# KiCad board CamTracker.kicad_pcb (continued)
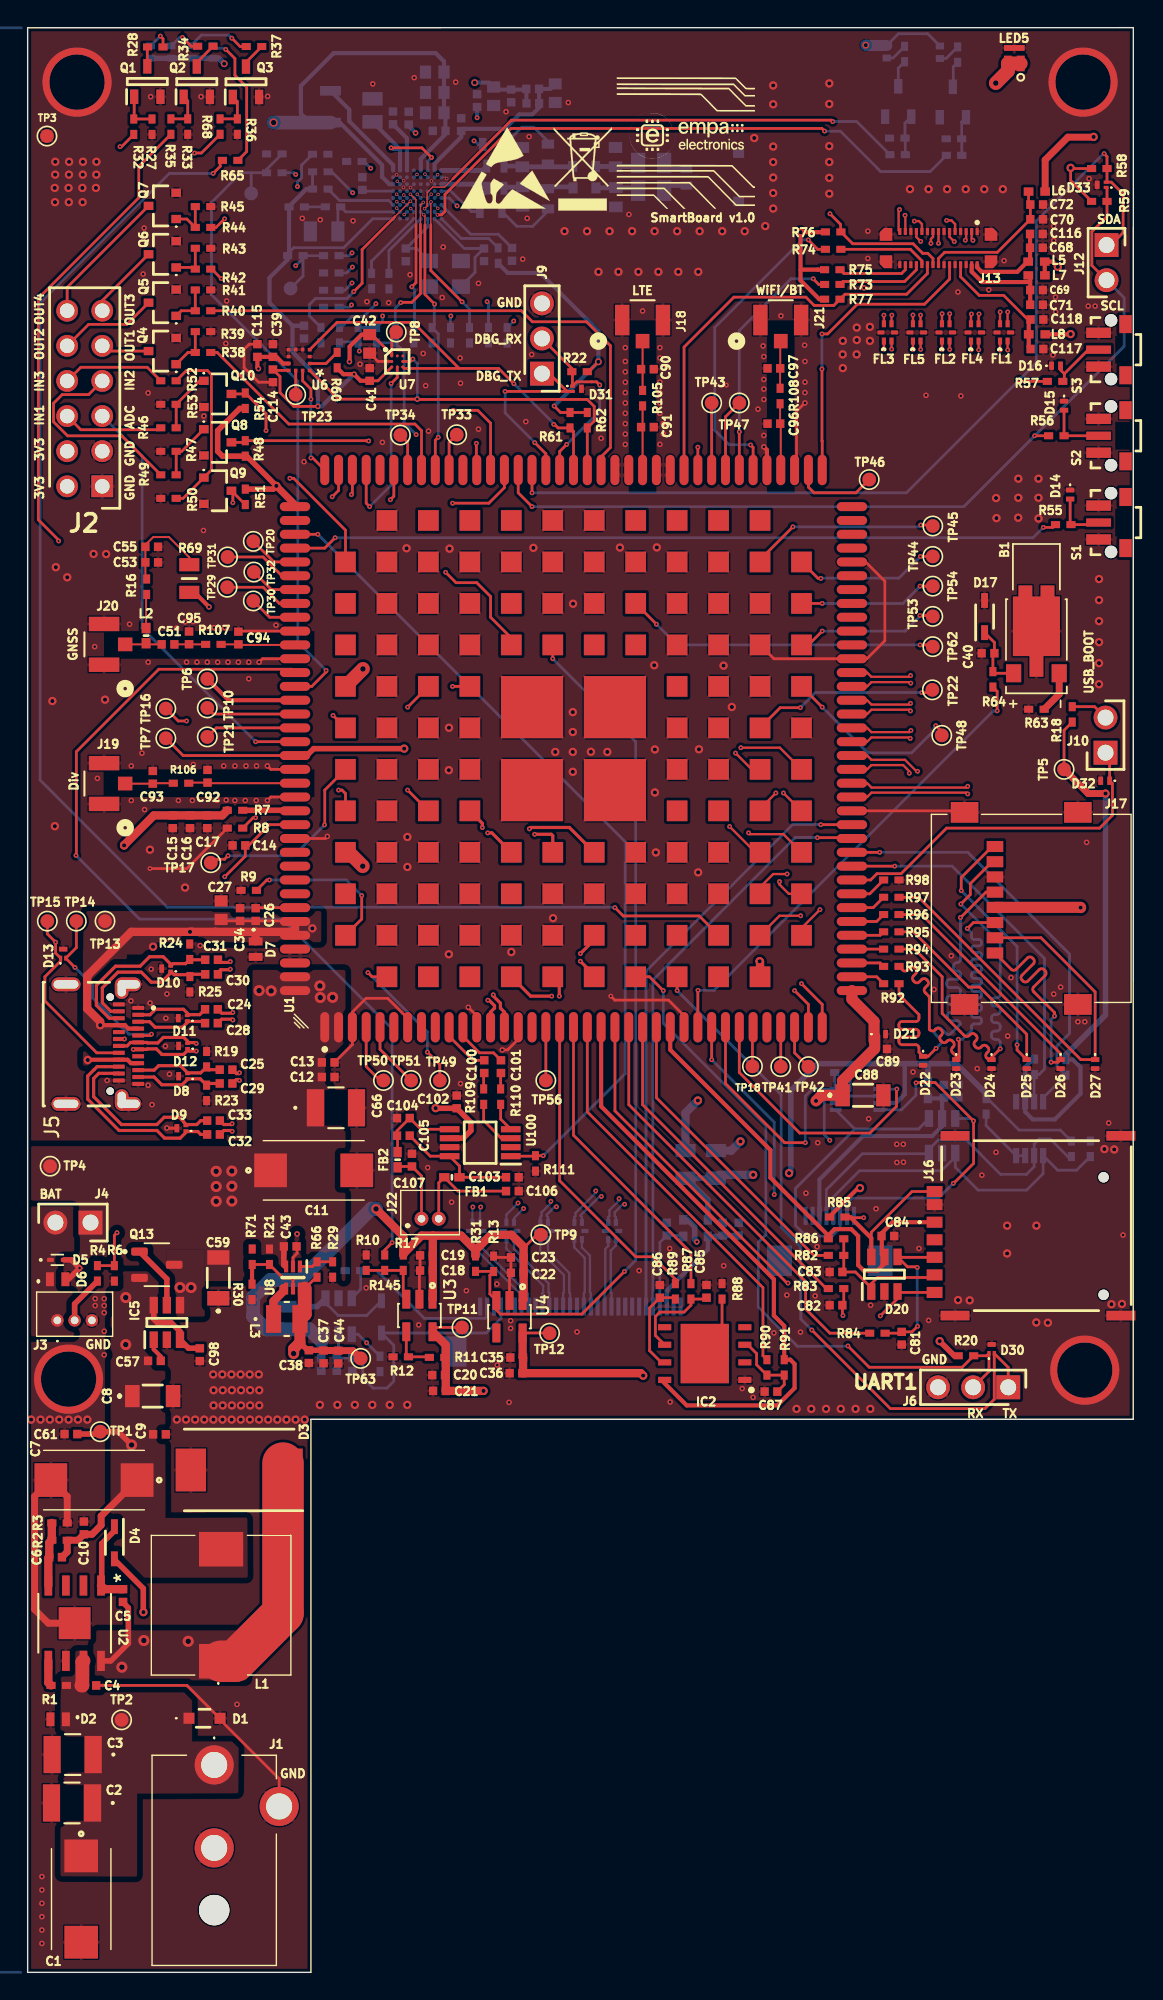
[diagram p0: board, top side]
## Routing (per net, layer and track width the routed paths; a pad name or vN(x,y) marks a point on that pad's centre or on a via; arc(x,y) is an arc through that point) (continued)
  Top w0.3: v1(13.12,98.75) 12.08,99.8 R69.1
  Top w0.6: U3.5 30.26,45.37 C21.1 32.13,42.05 32.14,42.04 32.15,42.05 v2(32.99,42.05)
  PWR w0.3: v1(13.12,98.75) 13.53,98.75 20.75,91.53 20.75,90.8 v2(48.5,63.05)
  PWR w0.6: v2(48.5,63.05) 49.2,62.35 49.2,59.05 47.33,57.18 47.33,47.94 41.45,42.06 33,42.06 v2(32.99,42.05)
  Bottom w0.6: R14.1 47.6,59.44 47.6,62.15 v2(48.5,63.05)
VREG_3V3_NFC: length 151.6
  Top w0.2: 20.05,49.45 20.87,50.27 R66.1
  Top w0.3: 21.39,44.99 C37.1 ; C38.1 20.26,44.99
  Top w0.4: 20.26,44.99 19.7,45.55 ; C38.1 21.39,44.99
  Top w0.5: TP63.1 23.54,44.96 C44.2 22.47,44.97 C37.1
  Top w0.8: L3.2 19.7,45.55 19.25,45.09 v8(19.25,44.75)
  Top w1: L3.2 20.05,47.6 20.05,49.45
  PWR w1: v9(17.8,133.78) 15.67,133.78 9.62,127.72 9.62,84 11.53,82.1 17.67,82.1 23.6,76.17 23.6,49.35 19.25,45 v8(19.25,44.75)
  Bottom w0.3: IC1.E1 28.45,131.15 30.23,132.94 C47.1 30.23,134.38 C52.1 C54.1 C46.1 30.13,138.19 29.53,138.8 22.15,138.8 19.78,136.43 19.78,134.43 20.42,133.78 L13.2 22.58,133.78 25.65,130.71 25.65,129.85 26.18,129.32 IC1.A3
  Bottom w1: v9(17.8,133.78) L13.2
VUSB_BUS: length 36.6
  Top w0.2: 14.36,76.04 C34.1 C26.1 19.31,76.04 U1.141 ; 4.37,66 v2(4.35,65.98)
  Top w0.3: J5.A9 7.47,65.75 7.22,66 J5.B4 4.37,66 ; J5.A4 7.29,68.25 7.04,68.5 J5.B9 v2(5.25,68.5)
  Top w0.4: U1.142 19.1,75.25
  Top w0.6: 16.5,75.25 13.57,75.25 13.57,75.25 11.91,75.25 11.91,75.25 v2(11.75,75.25) 7.5,75.25 4.31,72.06 4.31,69.69 5.25,68.75 v2(5.25,68.5) ; 16.5,75.25 19.1,75.25 ; 16.5,75.25 D7.1 ; U1.141 U1.142
  PWR w0.8: v2(4.35,65.98) 4.35,67.6 v2(5.25,68.5)
  vias: v2(9.08,74.17) v2(20.6,75.5)
Net-(B1-PadN): length 3.1
  Top w0.5: R63.1 74.65,92.44 B1.N
Net-(C1-+): length 27
  Top w0.4: D4.2 6.28,29.85 8.37,27.76 8.37,26.06 v2(8.38,26.05)
  Top w1: 3.89,20.75 3.96,20.75 3.96,22.45 U2.7 ; 12.83,15 J1.1
  PWR w0.4: v2(8.38,26.05) 8.81,25.62 15.57,25.62 16.68,24.51 16.68,18.18 J1.1
Net-(C45-Pad2): length 3.2
  Bottom w0.35: C45.2 43.93,130.6 R129.2
Net-(C48-Pad2): length 3.1
  Bottom w0.35: C48.2 43.98,129.06 R130.2
Net-(C100-Pad2): length 1.2
  Top w0.2: C100.2 33,65 R109.2
Net-(C101-Pad2): length 1.2
  Top w0.2: R110.2 34.23,65.02 C101.2
Net-(C106-Pad2): length 8
  Top w0.2: C106.2 31.15,56.5 FB1.2 29.75,57.1 J22.2
Net-(C107-Pad2): length 5.1
  Top w0.2: FB2.2 26.83,58.28 C107.2 28.5,57.59 J22.1
Net-(C131-Pad2): length 4.4
  Bottom w0.2: C131.2 35.41,126.27 36.54,126.27 37.65,127.38 R143.2
Net-(C137-Pad2): length 4.3
  Bottom w0.2: C137.2 35.77,133.44 36.63,133.44 37.65,132.42 R135.2
Net-(C138-Pad2): length 5.1
  Bottom w0.35: 39.45,130.72 39.31,130.57 35.8,130.57 35.75,130.62 L16.2
Net-(C139-Pad1): length 5.1
  Bottom w0.35: L15.2 34.55,129.1 35.8,129.1 C139.1 39.43,129.12 39.48,129.17
Net-(D3-K): length 22.4
  Top w0.4: C5.2 6.9,26.75 7.29,26.36 7.29,23.79 6.02,22.53 U2.8
  Top w3: L1.1 15,22.5 18.48,25.98 18.48,36.83
  vias: v6(6.82,22.07) v6(8.41,24) v6(11.62,23.94)
Net-(D4-K): length 6.4
  Top w0.4: U2.1 5.36,28.03 5.36,31.01 6.28,31.93 D4.1
  Top w0.6: C5.1 5.57,27.71 U2.1
Net-(D14-Pad2): length 3.9
  Top w0.2: S1.2 77.35,104.7 R55.2 75.44,104.76 D14.2
Net-(D15-Pad2): length 4.4
  Top w0.2: S2.2 R56.2 75,112.97
Net-(D16-Pad2): length 5
  Top w0.2: 76.7,117.35 S3.2 76.76,117.35 75.02,115.61 ; D16.2 74.75,115.88 75.02,115.61 ; 75.02,115.31 75.02,115.61
Net-(D17-K): length 4.7
  Top w0.2: B1.P 69.97,93.95 R64.1 69.85,95.29 C40.1 69.96,96.18 D17.1
Net-(D18-A): length 8.5
  Bottom w0.2: U9.1 21.55,48.42 22.47,47.5 24.54,47.5 D18.2
  Bottom w0.4: L9.2 20.95,48.15 U9.1
Net-(D20-I/O1): length 10.7
  Top w0.2: J16.C7 65.44,50.25 61.5,50.25 61.05,49.8 D20.1 61.05,49.5 59.9,50.65 C83.2 59.06,50.75 R82.1 R86.2
Net-(D20-I/O2): length 9.8
  Top w0.2: 65.56,49.24 J16.C3 63.02,49.17 D20.3 62.95,48.72 v3(61.7,47.47) ; v3(59,47.5) 58.96,47.54 C82.2 59.06,48.35 R83.1
  Signal w0.2: v3(59,47.5) 59.03,47.47 v3(61.7,47.47)
Net-(D20-I/O3): length 11.3
  Top w0.2: v3(64.38,50.97) 64.33,51.03 63.67,51.03 D20.4 62.98,51.71 J16.C2 65.6,51.74 ; v3(64.4,46.72) 64,46.32 C81.2 63.16,46.22 R84.1
  Bottom w0.2: v3(64.38,50.97) 64.38,46.75 v3(64.4,46.72)
Net-(D30-K_1): length 50.5
  Top w0.2: v3(46,71) 45,72 U1.153 ; v3(59.36,45.3) 60.9,43.76 67.63,43.76 R20.2 69.4,44.59 D30.1 69.57,43.46 J6.2
  Bottom w0.2: v3(46,71) 46,68.64 53.42,61.22 53.42,53.35 52.88,52.8 52.88,48.11 55.7,45.28 59.34,45.28 v3(59.36,45.3)
Net-(D30-K_2): length 51.6
  Top w0.2: v3(56.75,46.45) 62.43,40.77 69.28,40.77 69.95,41.44 D30.2 70.96,43.75 J6.1 ; U1.154 v3(47,71)
  Bottom w0.2: v3(47,71) 54.53,63.47 54.53,53.9 55.95,52.47 55.95,47.25 v3(56.75,46.45)
Net-(D31-K_1): length 13.9
  Top w0.2: v3(41.4,114.8) 41.17,115.03 40.83,115.03 40.82,115.03 39.74,115.03 39.42,114.72 39.42,115.72 R22.2 39.38,116 J9.2 ; v3(39.01,110.5) 38.5,109.99 U1.93
  Bottom w0.2: v3(39.01,110.5) 41.4,112.89 v3(41.4,114.8)
Net-(D31-K_2): length 14.1
  Top w0.2: D31.2 39,114.34 ; 39,114.34 v3(34.55,114.34) ; 39,114.34 39,114.38 37.75,115.62 J9.1 ; U1.94 37.5,109.83 v3(36.7,110.62)
  Bottom w0.2: v3(36.7,110.62) 36.7,110.63 34.55,112.78 v3(34.55,114.34)
Net-(IC1-BOOST_LX): length 7.6
  Bottom w0.3: IC1.A1 26.45,130.7 23.28,133.88 23.28,134.71 21.91,136.07
Net-(IC1-HOST_IF_SEL0): length 8
  Signal w0.2: v5(27.25,127.12) 27.25,125.97 23.47,122.2 v3(23.47,122.17)
  Bottom w0.1: v5(27.25,127.12) 27.44,127.32 IC1.C7
  Bottom w0.2: v3(23.47,122.17) 22.95,121.65 R67.1
Net-(IC1-HOST_IF_SEL1): length 7.8
  Signal w0.2: v5(27.18,128.07) 27.18,127.61 26.62,127.05 26.62,126.45 v3(23.5,123.33)
  Bottom w0.1: IC1.C6 27.43,127.82 v5(27.18,128.07)
  Bottom w0.2: v3(23.5,123.33) 23.08,122.9 R112.1
Net-(IC1-IRQ1): length 6
  Signal w0.2: v3(23.47,124.35) 26.7,127.58 v5(26.7,127.59)
  Bottom w0.1: 26.95,127.34 v5(26.7,127.59)
  Bottom w0.2: v3(23.47,124.35) 23.28,124.15 R131.1 ; IC1.B7 26.95,127.34
Net-(IC1-RXN): length 3.4
  Bottom w0.2: 32.72,127.35 32.1,127.35 30.63,128.82 IC1.H4
Net-(IC1-RXP): length 7.3
  Signal w0.2: v3(32.3,132.45) 32.3,132.44 31.08,131.22 v3(31.08,127.75)
  Bottom w0.2: C137.1 32.6,132.2 32.35,132.45 v3(32.3,132.45) ; v3(31.08,127.75) 30.5,128.32 IC1.H5
Net-(IC1-SPI_CITO_/_I2C1__SDA): length 10.6
  Top w0.1: 28.42,126.42 28.42,127.8 v5(28.62,128)
  Top w0.2: 28.42,126.42 28.42,121.4 27.8,120.78 27.03,120.78 v3(27,120.75)
  Bottom w0.1: v5(28.62,128) 28.45,127.83 IC1.E6
  Bottom w0.2: R116.1 26.61,120.35 v3(27,120.75)
Net-(IC1-SPI_COTI_/_I2C1_ADR_BIT_1): length 10.4
  Top w0.1: 28.1,126.39 28.1,128.19 v5(27.7,128.59)
  Top w0.2: v3(27.8,121.9) 28.1,122.2 28.1,126.39
  Bottom w0.1: IC1.D5 27.95,128.34 v5(27.7,128.59)
  Bottom w0.2: v3(27.8,121.9) 28,121.7 28,119.01 R115.1
Net-(IC1-SPI_NSS_/_I2C1_ADR_BIT_0): length 14.2
  Top w0.1: 26.58,126.97 v5(27.7,128.09)
  Top w0.2: v3(23.6,121.55) 24.2,122.15 24.2,124.59 26.58,126.97
  Bottom w0.1: v5(27.7,128.09) 27.95,127.84 IC1.D6
  Bottom w0.2: R114.1 20.4,119.78 20.4,120.62 20.83,121.05 23.1,121.05 v3(23.6,121.55)
Net-(IC1-SPI_SCK_/_I2C1__SCL): length 12.9
  Signal w0.2: v5(28.2,128.59) 28.2,124.02 25.2,121.03 v3(25.2,120.67)
  Bottom w0.1: IC1.E5 28.45,128.34 v5(28.2,128.59)
  Bottom w0.2: v3(25.2,120.67) 25.2,120.65 24.3,119.75 23.48,119.75 22.76,119.03 22.55,119.03 ; 22.57,119.01 22.58,119.01
Net-(IC1-SPIM_SCLK_/_TDA_EN_5V_3V): length 12.5
  Signal w0.2: v3(35.17,119.42) 35.14,119.42 35.15,119.44 35.15,123.13 v5(29.71,128.58)
  Bottom w0.1: IC1.G5 v5(29.71,128.58)
  Bottom w0.2: R132.1 34.7,118.95 v3(35.17,119.42)
Net-(IC1-SPIM_SSN_/_TDA_EN_1.8V): length 9.4
  Signal w0.2: v5(29.68,127.58) 30.62,126.63 v3(30.62,119.79)
  Bottom w0.1: IC1.G6 29.45,127.81 v5(29.68,127.58)
  Bottom w0.2: R133.1 30.6,119.76 v3(30.62,119.79)
Net-(IC1-TDA__CMDVCCN_/_GPIO5): length 3.9
  PWR w0.2: v3(24.83,130.47) 26.7,128.6 v5(26.7,128.59)
  Bottom w0.1: 26.95,128.34 v5(26.7,128.59)
  Bottom w0.2: IC1.B5 26.95,128.34 ; R140.1 24.33,130.97 v3(24.83,130.47)
Net-(IC1-TDA_CLKDIV1_/_SPIM_CITO): length 10.6
  Top w0.1: 29.17,126.38 29.17,128.02
  Top w0.2: v3(31.44,120.81) 29.17,123.08 29.17,126.38 ; 29.17,128.02 v5(29.19,128.03)
  Bottom w0.1: IC1.F6 28.97,127.82 v5(29.19,128.03)
  Bottom w0.2: R134.1 31.98,120.27 v3(31.44,120.81)
Net-(IC1-TDA_CLKDIV2_/_SPIM_COTI): length 11.7
  Signal w0.1: v5(29.2,128.59) 29.2,128.57 31.05,126.72
  Signal w0.2: v3(33.25,120.83) 33.25,124.53 31.05,126.72
  Bottom w0.1: v5(29.2,128.59) 28.95,128.34 IC1.F5
  Bottom w0.2: R136.1 33.35,120.72 v3(33.25,120.83)
Net-(IC1-TDA_CS0_/_GPIO0): length 4.9
  Bottom w0.2: R137.1 26.14,124.51 IC1.E8
Net-(IC1-TDA_CS1_/_GPIO1): length 5.2
  Bottom w0.2: IC1.D8 24.89,123.76 R138.1
Net-(IC1-TDA_CS2): length 5.8
  Bottom w0.2: R150.2 22.45,127.48 R121.1 23.02,127.32 IC1.A7
Net-(IC1-TDA_RSTIN_/_GPIO4): length 11.1
  Signal w0.2: v3(19.53,129.15) 26.6,129.15 v5(27.21,128.54)
  Bottom w0.1: 27.43,128.32 v5(27.21,128.54)
  Bottom w0.2: R139.1 19.83,130.7 19.83,129.78 19.53,129.47 v3(19.53,129.15) ; IC1.C5 27.43,128.32
Net-(IC1-TX1): length 3.4
  Bottom w0.35: IC1.H1 32.92,130.32 L16.1
Net-(IC1-TX2): length 3.4
  Bottom w0.35: IC1.H3 32.93,129.32 L15.1
Net-(IC1-TXVCASC): length 13
  PWR w0.3: v7(32.35,136.66) 32.34,136.66 28.75,133.07 v5(28.75,130.05)
  Bottom w0.1: IC1.F2 28.95,129.84 v5(28.75,130.05)
  Bottom w0.3: v7(32.35,136.66) 33.42,136.66 ; C62.1 33.92,136.16 C112.1 36.04,136.16 C60.1 36.1,136.2 C58.1
Net-(IC1-TXVCM): length 6
  PWR w0.3: v3(32.53,134.12) 32.53,133.82 29.67,130.97 v5(29.67,130.01)
  Bottom w0.1: IC1.G2 29.48,129.82 v5(29.67,130.01)
  Bottom w0.3: v3(32.53,134.12) 32.53,134.56
Net-(IC1-VDDBOOST): length 9.3
  Top w0.2: v3(26.3,131.95) 28.53,131.95 v3(29.22,131.25)
  Bottom w0.2: v3(26.3,131.95) 26.42,131.84 26.95,131.84 ; v3(29.22,131.25) 28.95,130.97 IC1.F1
  Bottom w0.3: C56.1 26.95,131.84 IC1.B1
Net-(IC1-VDDC): length 3.8
  Bottom w0.3: C120.1 27.45,132.64 IC1.C1
Net-(IC1-VDDNV): length 2.3
  Bottom w0.2: IC1.A4 24.31,128.82 C124.1
Net-(IC1-VDDPA): length 12.6
  Bottom w0.3: 29.45,130.37 29.45,130.8 31.38,132.72 C64.1 31.53,133.32 34.55,133.32 35.58,134.36 36.51,134.36 37.02,134.87 C58.2 37.01,135.17 C60.2 37.81,136.21 C67.1
Net-(IC1-VEN): length 8.9
  Signal w0.2: v5(26.75,129.53) 19.9,129.53 v3(19.4,130.03)
  Bottom w0.1: 26.95,129.32 v5(26.75,129.53)
  Bottom w0.2: IC1.B3 26.95,129.32 ; v3(19.4,130.03) 19.28,130.15 R126.1
Net-(IC1-VMID): length 6.4
  Bottom w0.2: C144.1 34.06,125.7 32.07,125.7 IC1.H6
Net-(IC1-VREF): length 4.2
  PWR w0.3: v5(28.17,130.03) 28.17,132.93 v1(28.08,133.03)
  Bottom w0.1: IC1.D2 27.97,129.82 v5(28.17,130.03)
  Bottom w0.3: C122.2 27.58,133.53 v1(28.08,133.03)
Net-(IC1-XTAL1): length 4.9
  Bottom w0.2: IC1.F8 28.95,126.25 C127.1 28.16,124.66 Y1.1
Net-(IC1-XTAL2): length 7.9
  Bottom w0.2: IC1.G8 31.59,124.67 C129.1 32.38,124.03 32.38,122.94 Y1.3
Net-(IC2-CLK): length 6.8
  Top w0.2: C85.1 49.03,48.69 R87.1 48,48.25 47.5,47.75 45.75,47.75 45.42,47.42 45.42,46.06 IC2.6
Net-(IC2-EP): length 4.6
  Top w0.2: R88.2 50.25,46.25 48.75,44.75
Net-(IC2-I/O): length 5.6
  Top w0.2: C87.1 54.75,42.5 R91.1 R90.1 52.75,43.94 52.75,44.75 52.11,45.38 IC2.3
Net-(IC2-~{RESET}): length 6.5
  Top w0.2: R89.1 46.78,48.79 C86.1 45.01,48.05 45.01,44.96 45.85,44.12
Net-(IC3-EN): length 4.6
  Bottom w0.2: IC3.7 IC3.8 69.36,61.23 R26.2
Net-(IC5-GATE): length 4.7
  Top w0.4: Q13.1 10.08,50.14 IC5.5
Net-(IC5-VCAP): length 1.7
  Top w0.3: 9.64,44.22 9.64,44.54 9.12,45.05 IC5.1
Net-(J3-Pad2): length 3.5
  Top w0.4: R4.1 3.4,48.34 J3.2
Net-(J7-Pad1): length 1.8
  Bottom w0.35: R129.1 46.48,130.43 J7.1
Net-(J7-Pad2): length 1.8
  Bottom w0.35: J7.2 46.44,129.23 R130.1
Net-(J10-Pad2): length 2.7
  Top w0.2: R18.1 77.21,91.53 J10.2
Net-(J13-AF_VDD_2V8): length 6.4
  Top w0.3: J13.30 68.71,123.31 69.04,122.98 71.62,122.98 72.35,123.72 L5.1 72.54,123.86 C68.1 C116.1
Net-(J13-AVDD_2V95): length 7.2
  Top w0.3: L7.1 72.55,122.59 C69.1 C71.1 ; 72.55,122.24 69.07,122.24 68.31,123 J13.29
Net-(J13-DOVDD1V8): length 9.5
  Top w0.2: C118.1 72.38,119.53 70.63,121.28 68.86,121.28 67.51,122.63 J13.27
  Top w0.3: C118.1 72.44,119.4 L8.1 72.44,117.54 C117.1
Net-(J13-DVDD_1V2): length 10.5
  Top w0.2: J13.23 65.91,123.95 66.36,124.39 70.17,124.39 C70.1 C72.1 72.43,127.97 L6.1 72.57,128.92
Net-(J13-ID(DOVDD)): length 5.3
  Top w0.2: J13.17 63.51,123.13 63.24,122.86 59.06,122.86 R75.2
Net-(J13-MCLK): length 21.8
  Top w0.2: U1.74 57.5,110.73 57.48,110.75 v3(57.48,115.95) ; J13.25 66.71,122.45 64.9,120.64 60.04,120.64 57.89,118.49 v3(57.48,118.49)
  Bottom w0.2: v3(57.48,115.95) v3(57.48,118.49)
Net-(J13-NC(RESET)): length 6.5
  Top w0.2: J13.20 64.71,123.78 63.88,124.61 R74.1
Net-(J13-PWDN): length 6.3
  Top w0.2: J13.19 64.31,123.13 63.46,122.28 59,122.28 R73.1
Net-(J17-CD/DAT3): length 32.8
  Top w0.2: J17.P2 73.33,74.82 77.25,70.9 D27.1 76.21,66.01 64.47,77.75 R97.1
Net-(J17-CLK): length 32.5
  Top w0.2: R92.1 63.06,70.7 64.5,69.26 64.5,68.99 arc(64.43,68.83) 64.28,68.76 63.27,68.76 arc(63.12,68.7) 63.05,68.54 63.05,68.43 arc(63.12,68.27) 63.27,68.2 64.28,68.2 arc(64.43,68.14) 64.5,67.98 64.5,67.87 arc(64.43,67.71) 64.28,67.64 63.27,67.64 arc(63.12,67.58) 63.05,67.42 63.05,67.31 arc(63.12,67.15) 63.27,67.08 64.28,67.08 arc(64.43,67.02) 64.5,66.86 64.5,66.55 D22.1 65.17,66.25 v3(65.74,66.82) ; J17.P5 69.35,78.12 67.51,76.28 v3(67.5,76.28)
  Bottom w0.2: v3(65.74,66.82) 66.05,67.13 arc(66.12,67.3) 66.05,67.47 65.68,67.84 arc(65.61,68.01) 65.68,68.18 65.77,68.26 arc(65.94,68.33) 66.11,68.26 66.47,67.89 arc(66.64,67.82) 66.81,67.89 67.5,68.58 arc(67.43,68.75) 67.26,68.82 66.79,68.82 arc(66.62,68.89) 66.55,69.06 66.55,69.18 arc(66.62,69.35) 66.79,69.42 67.26,69.42 arc(67.43,69.49) 67.5,69.66 67.5,69.78 arc(67.43,69.95) 67.26,70.02 66.74,70.02 arc(66.57,70.09) 66.5,70.26 66.5,70.38 arc(66.57,70.55) 66.74,70.62 67.26,70.62 arc(67.43,70.69) 67.5,70.86 67.5,70.98 arc(67.43,71.15) 67.26,71.22 66.74,71.22 arc(66.57,71.29) 66.5,71.46 66.5,71.58 arc(66.57,71.75) 66.74,71.82 67.26,71.82 arc(67.43,71.89) 67.5,72.06 67.5,72.18 arc(67.43,72.35) 67.26,72.42 67.24,72.42 arc(67.07,72.49) 67,72.66 67,72.78 arc(67.07,72.95) 67.24,73.02 67.26,73.02 arc(67.43,73.09) 67.5,73.26 v3(67.5,76.28)
Net-(J17-CMD): length 32.5
  Top w0.2: v3(68,75.49) 68.01,75.49 68.44,75.92 J17.P3 ; v3(67.35,67.48) 67.41,67.42 67.41,66.22 D23.1 67.2,66.25 66.92,66.53 arc(66.85,66.7) 66.92,66.87 66.99,66.94 arc(67.06,67.11) 66.99,67.28 66.9,67.37 arc(66.73,67.44) 66.56,67.37 66.49,67.3 arc(66.32,67.23) 66.15,67.3 66.07,67.38 arc(66,67.55) 66.07,67.72 66.14,67.79 arc(66.21,67.96) 66.14,68.13 66.05,68.22 arc(65.88,68.29) 65.72,68.22 65.64,68.14 arc(65.47,68.07) 65.31,68.14 65.25,68.2 65.25,70.56 64.94,70.86 arc(64.87,71.03) 64.94,71.2 65.12,71.38 arc(65.19,71.55) 65.12,71.72 65.04,71.81 arc(64.87,71.88) 64.7,71.81 64.52,71.63 arc(64.35,71.56) 64.18,71.63 64.1,71.71 arc(64.03,71.88) 64.1,72.05 64.27,72.23 arc(64.34,72.4) 64.27,72.57 64.19,72.65 arc(64.02,72.72) 63.85,72.65 63.67,72.48 arc(63.5,72.41) 63.33,72.48 R93.1
  Bottom w0.2: v3(68,75.49) 68.3,75.19 68.3,74.89 arc(68.36,74.76) 68.49,74.7 68.84,74.7 arc(68.97,74.65) 69.03,74.51 69.03,74.42 arc(68.97,74.29) 68.84,74.23 68.49,74.23 arc(68.36,74.18) 68.3,74.04 68.3,73.95 arc(68.36,73.82) 68.49,73.76 68.84,73.76 arc(68.97,73.71) 69.03,73.57 69.03,73.48 arc(68.97,73.35) 68.84,73.29 68.49,73.29 arc(68.36,73.24) 68.3,73.1 68.3,73.01 arc(68.36,72.88) 68.49,72.82 68.84,72.82 arc(68.97,72.77) 69.03,72.63 69.03,72.54 arc(68.97,72.41) 68.84,72.35 68.49,72.35 arc(68.36,72.3) 68.3,72.16 68.3,72.07 arc(68.36,71.94) 68.49,71.88 68.84,71.88 arc(68.97,71.83) 69.03,71.69 69.03,71.6 arc(68.97,71.47) 68.84,71.41 68.49,71.41 arc(68.36,71.36) 68.3,71.22 68.3,71.13 arc(68.36,71) 68.49,70.94 68.84,70.94 arc(68.97,70.89) 69.03,70.75 69.03,70.66 arc(68.97,70.53) 68.84,70.47 68.49,70.47 arc(68.36,70.42) 68.3,70.28 68.3,70.19 arc(68.36,70.06) 68.49,70 68.84,70 arc(68.97,69.95) 69.03,69.81 69.03,69.72 arc(68.97,69.59) 68.84,69.53 68.49,69.53 arc(68.36,69.48) 68.3,69.34 68.3,69.25 arc(68.36,69.12) 68.49,69.06 68.84,69.06 arc(68.97,69.01) 69.03,68.87 69.03,68.78 arc(68.97,68.65) 68.84,68.59 68.49,68.59 arc(68.36,68.54) 68.3,68.4 68.3,68.13 67.65,67.48 v3(67.35,67.48)
Net-(J17-DAT0): length 32.6
  Top w0.2: v3(67.53,77.26) 68.22,77.95 68.22,78.74 69.8,80.32 J17.P7 ; v3(70.38,66.79) 69.75,66.16 D24.1 69.52,66.01 69.4,66.13 arc(69.33,66.3) 69.4,66.47 69.49,66.56 arc(69.56,66.73) 69.49,66.9 69.41,66.99 arc(69.24,67.06) 69.07,66.99 68.97,66.89 arc(68.81,66.82) 68.64,66.89 68.55,66.98 arc(68.48,67.15) 68.55,67.32 68.64,67.41 arc(68.71,67.58) 68.64,67.75 68.56,67.84 arc(68.39,67.91) 68.22,67.84 68.13,67.74 arc(67.96,67.67) 67.79,67.74 66.18,69.35 66.18,72 64.18,74 R94.1
  Bottom w0.2: v3(70.38,66.79) 70.38,67.23 arc(70.31,67.4) 70.14,67.47 69.99,67.47 arc(69.82,67.54) 69.75,67.71 69.75,67.83 arc(69.82,68) 69.99,68.07 70.14,68.07 arc(70.31,68.14) 70.38,68.31 70.38,68.43 arc(70.31,68.6) 70.14,68.67 69.99,68.67 arc(69.82,68.74) 69.75,68.91 69.75,69.03 arc(69.82,69.2) 69.99,69.27 70.14,69.27 arc(70.31,69.34) 70.38,69.51 70.38,69.63 arc(70.31,69.8) 70.14,69.87 69.99,69.87 arc(69.82,69.94) 69.75,70.11 69.75,70.23 arc(69.82,70.4) 69.99,70.47 70.14,70.47 arc(70.31,70.54) 70.38,70.71 70.38,74.41 v3(67.53,77.26)
Net-(J17-DAT1): length 32.6
  Top w0.2: R95.1 64.1,75.25 68.1,71.25 68.89,71.25 72.3,67.84 D25.1 71.6,66.71 v3(71.6,67.08) ; v3(67.56,78.23) 67.56,79.18 69.8,81.42 J17.P8
  Bottom w0.2: v3(67.56,78.23) 71.6,74.19 v3(71.6,67.08)
Net-(J17-DAT2): length 32.7
  Top w0.2: R96.1 64.69,76.5 74.75,66.44 D26.1 74.56,65.82 v3(74.06,65.82) ; v3(74.31,69.16) 74.31,69.41 72.8,70.92 arc(72.73,71.09) 72.8,71.26 73.63,72.1 arc(73.7,72.26) 73.63,72.43 73.55,72.52 arc(73.38,72.59) 73.21,72.52 72.37,71.69 arc(72.2,71.61) 72.03,71.69 71.95,71.77 arc(71.88,71.94) 71.95,72.11 72.78,72.94 arc(72.85,73.11) 72.78,73.28 72.7,73.37 arc(72.53,73.44) 72.36,73.37 71.53,72.53 arc(71.36,72.46) 71.19,72.53 J17.P1
  Bottom w0.2: v3(74.31,69.16) 74.06,68.91 v3(74.06,65.82)
Net-(J17-VDD): length 50.4
  Top w0.6: 61.3,66.81 C89.1
  Top w0.8: v2(76.2,77) 76.18,77.02 J17.P4 ; 61.25,67.38 61.25,68.78 59.65,70.38 U1.38 ; v2(57.05,63.03) 57.45,63.43 C88.1 58.97,64.48 C89.1 ; 61.3,67.72 61.3,66.81
  PWR w0.8: v2(76.2,77) 73.14,80.06 65.37,80.06 57.58,72.27 57.58,63.56 v2(57.05,63.03)
Net-(L2-Pad1): length 2.4
  Top w0.143: L2.1 8.57,99.61 R16.1
Net-(LED1-K): length 1.9
  Top w0.2: R28.1 9.8,139.83 v3(9.6,140.03)
  Bottom w0.2: v3(9.6,140.03) LED1.1
Net-(LED2-K): length 2.4
  Top w0.2: v3(11.2,139.93) 11.83,139.3 R34.1
  Bottom w0.2: LED2.1 11,139.93 v3(11.2,139.93)
Net-(LED3-K): length 4.6
  Top w0.2: v3(14.78,139.88) 15.38,139.28 R37.1
  Bottom w0.2: LED3.1 11.9,139.43 12.58,140.1 14.55,140.1 v3(14.78,139.88)
Net-(LED4-K): length 10
  Top w0.2: v3(14.34,139.07) 15,138.41 15,137.2 15.85,136.35 15.85,131.68 R65.1
  Bottom w0.2: v3(14.34,139.07) 14.25,139.16 13.58,139.16 LED4.1
Net-(LED6-K): length 1.6
  Bottom w0.2: LED6.1 66.46,138.41 R113.1
Net-(LED7-K): length 1.6
  Bottom w0.2: LED7.1 62.62,138.45 R146.1
Net-(Q1-B): length 2.9
  Top w0.2: Q1.1 7.71,134.06 R32.1 R27.2
Net-(Q1-C): length 1.4
  Top w0.2: Q1.3 8.66,139.22 R28.2
Net-(Q2-B): length 2.9
  Top w0.2: R35.1 R33.2 11.58,135.34 Q2.1
Net-(Q2-C): length 1.9
  Top w0.2: Q2.3 12.24,138.12 R34.2
Net-(Q3-B): length 3
  Top w0.2: Q3.1 15.17,135.3 R36.2 R68.1
Net-(Q3-C): length 1.9
  Top w0.2: R37.2 15.8,138.14 Q3.3
Net-(Q4-B): length 3.2
  Top w0.2: Q4.1 11.6,117.15 R38.1 R39.2
Net-(Q5-B): length 3
  Top w0.2: R41.2 R40.1 11.11,120.16 Q5.1
Net-(Q6-B): length 2.9
  Top w0.2: Q6.1 12.01,123.3 R42.1 R43.2
Net-(Q7-B): length 3.1
  Top w0.2: R45.2 R44.1 11.53,126.8 Q7.1
Net-(Q8-B): length 4.4
  Top w0.2: Q8.1 11.15,110 R47.2 R49.1
Net-(Q9-B): length 13.3
  Top w0.2: R52.1 11.49,115.84 13.01,115.84 13.3,115.55 13.3,108.65 Q9.1 11.25,106.6 R50.2
Net-(Q10-B): length 4.4
  Top w0.2: R46.1 R53.2 12.45,115.1 Q10.1
Net-(Q11-B): length 2.9
  Bottom w0.2: R70.1 67.6,132.59 R72.2 67.59,133.82 67.93,134.16
Net-(Q11-C): length 1.9
  Bottom w0.2: R113.2 66.98,137.81 66.98,136.36
Net-(Q12-B): length 2.9
  Bottom w0.2: R118.1 63.51,132.63 R119.2 63.49,133.74 Q12.1
Net-(Q12-C): length 2
  Bottom w0.2: Q12.3 63,137.71 R146.2
Net-(U1A-BAT_M): length 9.9
  Top w0.2: v3(22.5,85.5) 22.75,85.5 23,85.25 U1.183 ; v3(16.5,83.5) 16.31,83.5 R8.1
  Signal w0.2: v3(22.5,85.5) 20.5,83.5 v3(16.5,83.5)
Net-(U1A-BAT_P): length 3.8
  Top w0.2: 19.31,84.04 U1.133
  Top w0.4: R7.1 19.31,84.04
Net-(U1A-CBL_PWR_N): length 11.8
  Top w0.2: R9.1 17.31,79 v3(17.5,79) ; U1.186 24.17,76.17 v3(24.17,77.88)
  Bottom w0.2: v3(17.5,79) 23.05,79 v3(24.17,77.88)
Net-(U1A-VRTC): length 6.5
  Top w0.2: TP10.1 13.44,91 U1.126
Net-(U1C-CAM0_RST): length 23.3
  Top w0.2: v3(52.32,110.46) 52.5,110.28 U1.79 ; R74.2 57.17,124.61 v3(56.49,125.29)
  Bottom w0.2: v3(52.32,110.46) 52.3,110.48 50.76,110.48 49.72,111.52 49.72,118.95 56.06,125.29 v3(56.49,125.29)
Net-(U1C-CAM1_I2C_SCL): length 10.7
  Top w0.2: U1.166 56.01,102 57.2,100.81 v3(57.4,100.81) ; v3(64.6,102.4) TP44.1
  Bottom w0.2: v3(64.6,102.4) 64.6,102.39 63.04,100.83 57.42,100.83 v3(57.4,100.81)
Net-(U1C-CAM1_I2C_SDA): length 13.7
  Top w0.2: v3(64.63,104.67) 65.43,104.67 TP45.1 ; U1.205 53,102.16 v3(55.38,104.54)
  Bottom w0.2: v3(55.38,104.54) 64.5,104.54 v3(64.63,104.67)
Net-(U1C-CAM1_MCLK): length 6.2
  Top w0.2: TP46.1 59.94,107 56.91,107 56.5,107.41 U1.75
Net-(U1C-CAM1_PWDN): length 4.8
  Top w0.2: U1.82 TP43.1
Net-(U1C-CAM1_RST): length 5.3
  Top w0.2: U1.81 50.5,112.5 TP47.1
Net-(U1C-CAM2_MCLK): length 10
  Top w0.2: U1.165 v3(57.5,99) ; v3(64.58,100.25) TP54.1
  Bottom w0.2: v3(57.5,99) 63.34,99 64.58,100.24 v3(64.58,100.25)
Net-(U1C-CAM2_PWDN): length 13.5
  Top w0.2: U1.163 v3(57.5,91.5) ; v3(65.72,90.16) 66.15,89.73 TP48.1
  Bottom w0.2: v3(65.72,90.16) 65.59,90.03 65.59,89.81 63.97,88.19 60.81,88.19 v3(57.5,91.5)
Net-(U1C-CAM2_RST): length 10.4
  Top w0.2: v3(57.5,97) 56.5,96 U1.164 ; v3(64.57,98.12) 65.5,98.12
  Bottom w0.2: v3(57.5,97) 63.5,97 64.57,98.07 v3(64.57,98.12)
Net-(U1D-FRONT_CAM_EN/GPIO_101): length 22.7
  Top w0.2: v3(45.5,97.5) U1.239 ; 65.5,96 v3(64.58,96)
  Bottom w0.2: v3(64.58,96) 47,96 v3(45.5,97.5)
Net-(U1D-GPIO_86): length 14.2
  Top w0.2: v3(14.5,80.75) 14.25,80.5 13.75,80.5 13.3,80.05 13.3,79.85 ; v3(21.48,82.98) 21.5,83 21.5,85.5 U1.182
  Bottom w0.2: v3(14.5,80.75) 19.25,80.75 v3(21.48,82.98)
Net-(U1D-GPIO_102): length 2.7
  Top w0.2: U1.104 27.5,110.65 TP34.1
Net-(U1D-GPIO_104): length 2.8
  Top w0.2: U1.101 30.5,110.65 TP33.1
Net-(U1D-NFC_CLK): length 13.9
  Top w0.2: TP16.1 10.89,90.5 v3(11.5,90.5) ; v3(22.1,90.9) U1.181
  Signal w0.2: v3(11.5,90.5) 11.9,90.9 v3(22.1,90.9)
Net-(U1D-PMU_GPIO04): length 3.7
  Top w0.2: TP20.1 17.82,102 U1.115 19.3,101.95
Net-(U1D-PMU_GPIO07): length 13.6
  Top w0.2: v3(64.71,92.55) 65.27,92.55 TP22.1 ; v3(55.92,91.46) 54.46,91.46 U1.201
  Bottom w0.2: v3(55.92,91.46) 57.02,92.56 64.7,92.56 v3(64.71,92.55)
Net-(U1D-PMU_GPIO08): length 6.6
  Top w0.2: TP21.1 13.65,90 U1.127
Net-(U1D-SPI_CLK/GPIO_16): length 5.4
  Top w0.2: TP31.1 17.03,102.36 18.39,101 U1.116
Net-(U1D-SPI_CS_N/GPIO_17): length 3.5
  Top w0.2: U1.117 17.64,100 TP32.1
Net-(U1D-SPI_MISO/GPIO_14): length 5.4
  Top w0.2: TP29.1 17.04,100.17 18.21,99 U1.118
Net-(U1D-SPI_MOSI/GPIO_15): length 3.5
  Top w0.2: U1.119 17.51,98 TP30.1
Net-(U1E-UART0_RXD/GPIO_3): length 3.3
  Top w0.2: U1.35 55.5,66.5 TP42.1
Net-(U1E-UART0_TXD/GPIO_2): length 2.8
  Top w0.2: TP41.1 U1.34
Net-(U1E-USB_BOOT): length 25.5
  Top w0.2: J10.1 78.3,87.91 D32.1 78.5,85.97 78.5,83.68 77.57,82.75 66.5,82.75 63.2,79.45 61.45,79.45 61,79 U1.46
Net-(U1F-SD_CLK): length 2.5
  Top w0.2: R92.2 61.44,72 U1.39
Net-(U1F-SD_CMD): length 2.4
  Top w0.2: R93.2 61.69,73 U1.40
Net-(U1F-SD_DATA0): length 2.3
  Top w0.2: U1.41 R94.2
Net-(U1F-SD_DATA1): length 2.4
  Top w0.2: U1.42 61.69,75 R95.2
Net-(U1F-SD_DATA2): length 2.5
  Top w0.2: R96.2 61.44,76 U1.43
Net-(U1F-SD_DATA3): length 2.6
  Top w0.2: R97.2 61.19,77 U1.44
Net-(U1F-SD_DET): length 2.7
  Top w0.2: U1.45 60.94,78 R98.1
Net-(U1F-USIM1_CLK): length 24.6
  Top w0.2: R83.2 57.8,49.45 44.5,62.75 U1.24
Net-(U1F-USIM1_DATA): length 22.9
  Top w0.2: 45.5,69.03 U1.25 45.5,63.25 56.9,51.85 R82.2
Net-(U1F-USIM1_RST): length 31
  Top w0.2: U1.23 43.5,62.75 56.3,49.95 56.3,47.98 58.06,46.22 R84.2
Net-(U1F-USIM2_DET): length 3.8
  Top w0.2: U1.17 TP56.1
Net-(U1H-LINEOUT_M): length 4.1
  Top w0.2: U1.11 31.5,67.7 32.7,66.5 33.71,66.5 C101.1
Net-(U1H-LINEOUT_P): length 3.9
  Top w0.2: C100.1 32.24,65.96 30.5,67.7 U1.10
Net-(U1H-MIC1_M): length 4.8
  Top w0.2: TP51.1 25.5,66.75 U1.5
Net-(U1H-MIC1_P): length 4.3
  Top w0.2: 25.5,64.5 24.5,65.5 U1.4
Net-(U1H-MIC_BIAS1): length 11.5
  Top w0.2: v3(24.62,72.3) 24.92,72 U1.147 ; TP49.1 29.83,65.65 v3(28.92,66.55)
  Bottom w0.2: v3(28.92,66.55) 28.92,68 24.63,72.3 v3(24.62,72.3)
Net-(U2-EN): length 1.9
  Top w0.6: U2.5 1.5,20.94 R1.2
Net-(U2-FB): length 4.6
  Top w0.6: U2.4 1.5,29.96 C6.2 1.56,31.06 R2.2 R3.1
Net-(U3-ADJ): length 3.4
  Top w0.2: U3.4 27.4,44.67 R12.1 29.03,44.51 R11.2
Net-(U3-EN): length 4.9
  Top w0.2: U3.3 27.18,48.9 R17.2 R145.1 R10.1
